# KiCad board omodri_laas.kicad_pcb (continued)
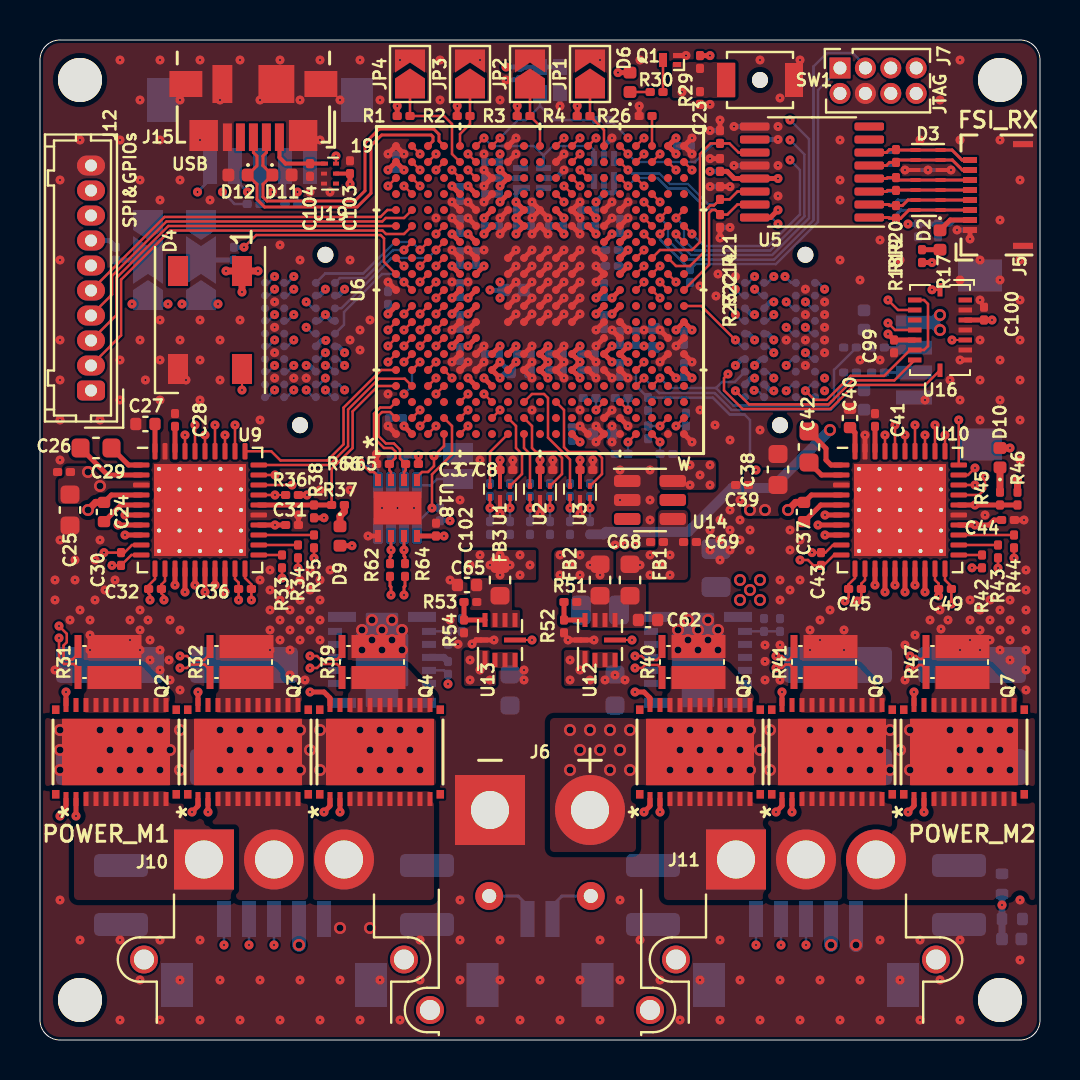
[diagram p0: board, top side]
## Routing (per net, layer and track width the routed paths; a pad name or vN(x,y) marks a point on that pad's centre or on a via; arc(x,y) is an arc through that point) (continued)
VDD_1V2: length 21.4
  Top w0.25: v1(23.8,40.3) U6.J14 v1(23.8,41.1) U6.J15 v1(23.8,41.9) ; v1(22.2,41.1) U6.G15 ; v1(22.2,40.3) U6.G14 ; v1(27.8,37.1) U6.P10 ; U6.E9 v1(20.6,36.3) ; U6.F11 v1(22.2,38.7) ; v1(25.4,33.1) U6.K5 v1(25.4,33.9) U6.K6 v1(25.4,34.7) ; U6.E11 v1(20.6,38.7) ; U6.F9 v1(21.4,36.3) ; U6.R13 v1(29.4,40.3) ; v1(28.6,40.3) U6.P13 ; v1(28.6,37.1) U6.R10
  Bottom w0.25: C66.1 23,37.26 v1(23,37.1) ; C66.1 23,37.74 v1(23,37.9) ; C66.1 v1(22.5,37.5) ; v1(25.4,33.1) 25.4,33.42 C74.1 25.4,33.58 v1(25.4,33.9) 25.4,34.22 R55.1 25.4,34.38 v1(25.4,34.7) ; v1(29.4,40.3) 29.08,40.3 C76.1 28.92,40.3 v1(28.6,40.3) ; 24.08,42.6 23.8,42.33 v1(23.8,41.9) 23.8,41.58 C77.1 23.8,41.42 v1(23.8,41.1) 23.8,40.78 C67.1 23.8,40.62 v1(23.8,40.3) ; v1(22.2,41.1) 22.2,40.78 C78.1 22.2,40.62 v1(22.2,40.3) ; v1(22.2,38.7) 21.88,38.7 R56.1 21.72,38.7 v1(21.4,38.7) 21.08,38.7 C72.1 20.92,38.7 v1(20.6,38.7) ; v1(20.6,36.3) 20.92,36.3 C73.1 21.08,36.3 v1(21.4,36.3) ; v1(28.6,37.1) 28.28,37.1 C75.1 28.12,37.1 v1(27.8,37.1)
  vias: v1(21.5,23.75) v1(22,24.25) v1(22.5,23.75) v1(23,24.25) v1(23,23.25) v1(23.5,23.75) v1(24,24.25) v1(24,23.25) v1(24.5,23.75)
VDD_3V3: length 90.6
  Top w0.2: C3.1 U1.5 ; C7.1 U2.5 ; C8.1 U3.5 ; U19.5 C103.1
  Top w0.25: U6.N14 v1(27.8,40.3) ; U6.L14 v1(26.2,40.3) ; U6.L15 v1(26.2,41.1) ; U6.E16 v1(20.6,42.7) ; R65.1 v1(18.92,29.2) ; v1(42.4,35.3) C99.1 U16.11 ; v1(36.9,43.08) 34.71,43.08 34.36,43.43 C14.1 ; v1(23,43.5) U6.H17 v1(23,42.7) ; R4.1 v1(26.86,46.7) ; U18.8 C102.1 v1(20.2,25.2) ; v1(47.6,36) C100.1 U16.3 ; v1(23,33.1) U6.G5 v1(23,33.9) ; U6.G4 v1(22.2,33.1) ; U6.R12 v1(29.4,39.5) ; U6.A9 v1(17.4,36.3) ; R29.1 v1(33.5,49.22) ; R3.1 v1(23.86,46.7) ; U6.F13 v1(21.4,40.3) ; v1(23,29) C3.1 ; v1(36.9,41.5) 36.53,41.12 U5.16 ; U6.E7 v1(20.6,34.7) ; U6.B1 v1(18.2,30.7) ; v1(31.8,45.1) U6.V19 v1(31.8,44.3) ; R38.2 v1(14.2,26.11) ; v1(27.8,41.1) U6.N15 ; v1(27,29) C8.1 ; v1(20.6,40.3) U6.E13 ; v1(25,29) C7.1 ; v1(27,33.9) U6.M5 26.61,33.5 27.01,33.1 ; v1(29.4,38.7) U6.R11 ; U6.E10 v1(20.6,37.1) ; U6.F10 v1(21.4,37.1) ; U6.H16 v1(23,41.9) ; R2.1 v1(20.86,46.7) ; D9.2 v1(15.6,24.72) ; U6.F16 v1(21.4,42.7) ; v1(23,34.7) U6.G6 ; R1.1 v1(17.86,46.7) ; 27,33.9 U6.M6 v1(27,34.7) ; v1(23.8,34.7) U6.H6 ; U6.P9 v1(27.8,36.3) ; D6.2 v1(28.9,48.37) ; U6.M1 v1(27,29.9) ; v1(32.6,35.5) U6.W8 v1(31.8,35.5) ; U6.F4 v1(21.4,33.1) ; U6.F7 v1(21.4,34.7) ; v1(13.35,27.25) R36.2 ; C103.1 v1(15.5,42.8) ; R17.2 v1(44.6,38.88) ; v1(18.2,43.5) U6.A18 v1(17.4,43.5) ; U6.R9 v1(28.6,36.3) ; 23.8,33.9 U6.H5
  Top w0.35: v1(9.3,38.45) D4.1 ; D4.1 v1(10.9,38.45) ; D4.1 v1(10.1,37.4) ; R46.2 v1(48.88,28) ; D10.2 v1(48.5,29.6)
  Bottom w0.125: v1(14.27,33.73) 14.43,33.73 J9.D08
  Bottom w0.25: v1(26.2,41.1) 26.2,40.78 C87.1 26.2,40.62 v1(26.2,40.3) ; v1(27.8,40.3) 27.8,40.62 C86.1 27.8,40.78 v1(27.8,41.1) 27.8,41.42 C21.1 27.8,41.58 v1(27.8,41.9) 28.25,42.35 ; v1(23,44.3) 23,43.98 C22.1 23,43.82 v1(23,43.5) 23,43.18 C55.1 ; v1(35.73,35) 35.41,35.32 J8.A05 ; v1(33.5,43.43) C14.1 34.36,43.43 34.71,43.08 35.74,43.08 ; J8.B03 36.53,36.91 v1(36.69,36.91) ; v1(18.2,43.5) 17.88,43.5 C90.1 17.72,43.5 v1(17.4,43.5) ; 28.25,42.35 28.65,42.35 28.7,42.4 U7.1 ; 28.25,42.35 28.2,42.4 U7.2 ; J9.C06 14.09,34.98 v1(14.29,34.98) ; v1(31.8,35.5) 32.12,35.5 C93.1 32.28,35.5 v1(32.6,35.5) ; J9.D02 14.91,37.22 v1(15.23,37.54) ; R61.1 v1(20.5,25.96) ; C52.1 v1(29.4,38.7) ; v1(20.6,42.7) 20.92,42.7 C89.1 21.08,42.7 v1(21.4,42.7) ; U17.3 C101.1 v1(18.92,29.2) ; J9.C04 13.95,35.95 v1(14.27,36.27) 14.59,35.95 J9.D04 ; v1(23,33.1) 23.3,33.4 C60.1 ; v1(23.3,48.65) C20.1 X1.4 X1.1 ; J9.D06 14.91,34.68 v1(15.23,34.36) ; C60.1 23.52,33.62 v1(23.8,33.9) 23.8,34.22 C61.1 23.8,34.38 v1(23.8,34.7) ; C60.1 23.02,33.9 v1(23,33.9) 23,34.22 C82.1 23,34.38 v1(23,34.7) ; v1(20.6,40.3) 20.92,40.3 C79.1 21.08,40.3 v1(21.4,40.3) ; v1(35.73,33.09) 35.57,33.09 J8.A09 ; v1(34.77,33.73) 35.09,34.05 J8.A07 ; v1(27.8,36.3) 28.12,36.3 C84.1 28.28,36.3 v1(28.6,36.3) ; C55.1 23,43.02 v1(23,42.7) 23,42.38 C54.1 23,42.22 v1(23,41.9) ; C55.1 U8.2 ; v1(27,33.1) 27,33.42 C83.1 27,33.58 v1(27,33.9) 27,34.22 C85.1 27,34.38 v1(27,34.7) ; v1(20.6,34.7) 20.92,34.7 C81.1 21.08,34.7 v1(21.4,34.7) ; v1(7.1,36.8) 7.8,36.8 8,37 8.2,36.8 v1(8.9,36.8) ; C53.1 v1(29.4,39.5) ; v1(36.69,35) 36.37,35.32 J8.B05 ; C92.1 26.92,29.98 v1(27,29.9) ; v1(31.8,44.3) 31.8,44.62 C94.1 31.8,44.78 v1(31.8,45.1) ; v1(4.6,36.8) 5.3,36.8 5.5,37 5.7,36.8 v1(6.4,36.8) ; J9.C08 13.47,33.73 v1(13.31,33.73) ; v1(35.73,33.73) 36.05,34.05 J8.B07 ; C91.1 18.2,31.02 v1(18.2,30.7) ; v1(35.73,36.27) 35.57,36.27 J8.A03 ; C88.1 v1(17.4,36.3) ; J9.C02 13.95,37.22 v1(14.27,37.54) ; J8.B09 36.53,32.46 v1(36.69,32.46) ; v1(20.6,37.1) v1(21.4,37.1) 21.08,37.1 C80.1 20.92,37.1 v1(20.6,37.1)
  vias: v1(26,24.25) v1(26,23.25) v1(26.5,23.75) v1(27,24.25) v1(27,23.25) v1(27.5,23.75) v1(28,23.25)
VDDA_3V3: length 7.7
  Top w0.25: v1(29.4,34.7) U6.R6 v1(29.4,33.9) ; v1(28.6,34.7) U6.P6 v1(28.6,33.9)
  Bottom w0.25: v1(28.6,33.9) 28.92,33.9 C51.1 29.08,33.9 v1(29.4,33.9) ; v1(31,34.7) 30.78,34.7 C63.1 30.62,34.7 v1(30.2,34.7) 29.88,34.7 C64.1 29.72,34.7 v1(29.4,34.7) 29.08,34.7 C50.1 28.92,34.7 v1(28.6,34.7)
  Bottom w0.5: J1.4 44.62,35.88 ; 44.62,35.88 v2(45,36.25) ; 44.62,35.88 v2(45,35.5)
  vias: v1(30,23.75) v1(30.5,24.25) v1(30.5,23.25) v1(31,23.75) v1(31.5,24.25) v1(31.5,23.25)
/analog1: length 1.5
  Bottom w0.125: J1.2 R5.2
/analog2: length 1.5
  Bottom w0.125: J1.3 R6.2
/JTAG + CLOCK + RESET/25MHz_OSC_SRC: length 17.3
  In3_sig.Cu w0.125: v1(37.31,36.91) 36.81,37.4 36.4,37.4 35.9,36.9 34.7,36.9 33.3,38.3 29.95,38.3 29.8,38.45 29.8,44.7 v1(29.4,45.1)
  Bottom w0.125: J8.C03 37.63,36.59 v1(37.31,36.91) ; v1(29.4,45.1) 28.5,46 R27.2
/JTAG + CLOCK + RESET/ERRORSTS: length 1.5
  Top w0.125: U6.U19 R26.1
/JTAG + CLOCK + RESET/F2838x_CLK_25MHz: length 7
  Top w0.125: U6.G19 v1(23,45.1)
  Bottom w0.125: v1(23,45.1) 23.9,46 24.3,46 25,46.7 ; X1.3 25,46.7 ; 25,46.7 25.7,46 R27.1
/JTAG + CLOCK + RESET/TCK: length 21.3
  Top w0.125: U6.V15 v1(31,41.1)
  Bottom w0.125: J7.3 41.27,48.71 40.63,49.35 39.35,49.35 38.67,48.67 38.67,40.99 36.7,39.02 32.38,39.02 31.4,40 31.4,40.7 v1(31,41.1)
/JTAG + CLOCK + RESET/TDI: length 22.8
  Top w0.125: U6.W13 v1(31.8,40.3)
  In2_sig.Cu w0.125: v1(37.5,46) 38.9,47.4 38.9,48.9 39.35,49.35 43.06,49.35 J7.7
  Bottom w0.125: v1(37.5,46) 38.45,45.05 38.45,41.09 36.61,39.25 32.55,39.25 31.8,40 v1(31.8,40.3)
/JTAG + CLOCK + RESET/TDO: length 20.2
  Top w0.125: U6.W15 v1(31.8,41.1)
  In2_sig.Cu w0.125: J7.8 42.73,46.25 38.75,46.25 v1(37.5,45)
  Bottom w0.125: v1(37.5,45) 38.22,44.28 38.22,41.18 36.51,39.47 32.73,39.47 32.2,40 32.2,40.7 v1(31.8,41.1)
/JTAG + CLOCK + RESET/TMS: length 19.4
  Top w0.125: U6.W14 v1(32.6,40.3)
  In3_sig.Cu w0.125: v1(37.5,44) 38.9,45.4 38.9,48.9 39.35,49.35 41.79,49.35 J7.5
  Bottom w0.125: v1(37.5,44) 37.99,43.51 37.99,41.28 36.42,39.7 33.2,39.7 v1(32.6,40.3)
/JTAG + CLOCK + RESET/~{TRSTn}: length 18.5
  Top w0.125: U6.V14 v1(31,40.3)
  Bottom w0.125: J7.1 38.9,47.5 38.9,40.9 36.79,38.79 32.77,38.79 R28.1 31,40.02 v1(31,40.3)
/JTAG + CLOCK + RESET/~{XRSn}: length 19
  Top w0.125: U6.F19 v1(22.2,45.1)
  In2_sig.Cu w0.125: v1(22.2,45.1) 22.9,45.8 31.2,45.8 32.1,46.7 v1(32.1,47.4)
  Bottom w0.125: 25.17,44.23 24.7,44.7 22.6,44.7 v1(22.2,45.1) ; 25.17,44.23 U8.4 ; 25.17,44.23 25.65,44.7 27.5,44.7 27.7,44.5 U7.4
/OMODRI_CAN_RS485/CAN_RS485_H: length 2.4
  Top w0.15: U18.6 v1(17.55,24.5) 17.55,24.2 17.5,24.15 R62.1
  Bottom w0.15: U17.7 v1(17.55,24.5)
/OMODRI_CAN_RS485/CAN_RS485_L: length 2.4
  Top w0.15: R64.1 18.25,24.15 18.2,24.2 v1(18.2,24.5) U18.7
  Bottom w0.15: U17.6 v1(18.2,24.5)
/OMODRI_CAN_RS485/CAN_RS485_N: length 26.1
  Top w0.15: v1(18.2,22.25) 18.2,22.65 18.25,22.7 R64.2
  In2_sig.Cu w0.15: R63.2 26.1,7.2 25.15,8.15 25.15,15.86 24.16,16.85 19.96,16.85 19.25,17.56 19.25,20.66 18.03,21.89 18.03,22.08 v1(18.2,22.25)
  Bottom w0.15: J13.2 25.62,6.72 26.1,7.2 R63.2
/OMODRI_CAN_RS485/CAN_RS485_P: length 26.1
  Top w0.15: R62.2 17.5,22.7 17.55,22.65 v1(17.55,22.25)
  In2_sig.Cu w0.15: R63.1 23.9,7.2 24.85,8.15 24.85,15.74 24.04,16.55 19.84,16.55 18.95,17.44 18.95,20.54 17.72,21.76 17.72,22.08 v1(17.55,22.25)
  Bottom w0.15: J13.1 24.38,6.72 23.9,7.2 R63.1
/OMODRI_CAN_RS485/CAN_RX_SCI_RX: length 4.3
  Top w0.125: U6.D1 20.2,29.7 v1(19.7,29.2) 19.7,28.7 19.4,28.4 19.1,28.4 18.85,28.15 U18.1
  Bottom w0.125: JP7.1 20.15,29.35 20,29.2 v1(19.7,29.2)
/OMODRI_CAN_RS485/CAN_RXD: length 2.2
  Bottom w0.125: U17.4 19.54,27.74 19.85,28.05 JP7.2
/OMODRI_CAN_RS485/CAN_SHDN: length 6.9
  Top w0.125: v1(19.6,26.6) 19.6,28.28 20.6,29.28 20.6,30.7 U6.D2
  Bottom w0.102: R61.2 v1(19.6,26.6)
  Bottom w0.125: U17.5 18.85,25.85 v1(19.6,26.6)
/OMODRI_CAN_RS485/CAN_TX_SCI_TX: length 7.8
  Top w0.125: U18.4 16.9,28.2 16.7,28.4 16.5,28.4 v1(16,28.9) ; U6.C2 v1(19,30.7)
  In3_sig.Cu w0.102: v1(16,28.9) 16.3,28.6 16.9,28.6 v1(19,30.7)
  Bottom w0.125: v1(16,28.9) 16.2,28.7 16.7,28.7 16.9,28.5 U17.1
/OMODRI_CAN_RS485/SCI_RX_EN: length 5.1
  Top w0.125: U6.A2 17.5,31.4 17.1,31.4 16.93,31.22 16.93,30.19 17.29,29.83 17.69,29.83 18,29.52 18,29.08 R65.2 18.28,28.48 18.2,28.4 U18.2
/OMODRI_CAN_RS485/SCI_TX_EN: length 5.5
  Top w0.125: U6.A3 17.52,31.62 17.01,31.62 16.7,31.32 16.7,30.1 17.2,29.6 17.6,29.6 17.77,29.43 17.77,29.1 R66.2 17.47,28.48 17.55,28.4 U18.3
/OMODRI_COM_SPI_USB/COM_SIMO: length 1.9
  Bottom w0.125: J14.3 R68.1
/OMODRI_COM_SPI_USB/COM_SOMI: length 1.9
  Bottom w0.125: R67.1 J14.2
/OMODRI_COM_SPI_USB/COM_SPI_CLK: length 24.8
  Top w0.125: U6.N17 v1(27,43.5)
  In3_sig.Cu w0.102: v1(7.88,42.4) 11.67,46.2 25.03,46.2 25.71,45.52 25.71,43.99 25.8,43.9 26.6,43.9 v1(27,43.5)
  Bottom w0.125: J14.5 8.5,43.02 v1(7.88,42.4)
/OMODRI_COM_SPI_USB/COM_SPI_SIMO: length 24.1
  Top w0.125: U6.M17 v1(27,42.7)
  In3_sig.Cu w0.102: v1(9.12,42.4) 12.72,46 24.95,46 25.5,45.44 25.5,43.17 25.58,43.1 U6.M17 v1(27,42.7)
  Bottom w0.125: v1(9.12,42.4) 9.72,41.8 R68.2
/OMODRI_COM_SPI_USB/COM_SPI_SOMI: length 19.1
  Top w0.125: U6.L16 v1(26.2,41.9)
  In3_sig.Cu w0.102: v1(26.2,41.9) 25.1,43 25.1,45.27 24.78,45.59 15.29,45.59 12.87,43.17 v1(12.87,42.4)
  Bottom w0.125: R67.2 12.89,42.38 v1(12.87,42.4)
/OMODRI_COM_SPI_USB/USB_GPIO_DETECT: length 6.2
  Top w0.102: U19.6 v1(14.8,44.2)
  Top w0.125: U6.B19 v1(19,44.3)
  In3_sig.Cu w0.102: v1(19,44.3) 17.91,45.39 15.89,45.39 14.7,44.2
/OMODRI_COM_SPI_USB/USB_N: length 16
  Top w0.15: U6.D19 19.95,44.95 19.95,45.29 19.69,45.55 16.96,45.55 16.25,44.84 16.25,42.46 15.74,41.95 11.35,41.95 11.15,42.15 11.15,42.79 D11.1 11.14,43.72 11.14,44.2 11.32,44.38 J15.2
/OMODRI_COM_SPI_USB/USB_P: length 16
  Top w0.15: J15.3 10.67,44.38 10.84,44.2 10.84,43.71 D12.1 10.85,42.79 10.85,42.03 11.23,41.65 15.86,41.65 16.55,42.34 16.55,44.72 17.08,45.25 19.56,45.25 19.65,45.16 19.65,44.95 U6.C19
/OMODRI_COM_SPI_USB/~{COM_SPI_CSn}: length 22
  Top w0.125: U6.M16 v1(26.2,42.7)
  In3_sig.Cu w0.102: v1(26.2,42.7) 25.69,42.7 25.3,43.09 25.3,45.36 24.86,45.79 13.77,45.79 v1(10.38,42.4)
  Bottom w0.125: v1(10.38,42.4) 9.75,43.02 J14.4
/OMODRI_driver_M1/CPH: length 3.6
  Top w0.25: U9.2 3.38,28.25 C29.1
/OMODRI_driver_M1/CPL: length 1.8
  Top w0.25: U9.1 4.42,28.75 C29.2
/OMODRI_driver_M1/GHA: length 20.7
  Top w0.25: Q2.1 1.3,11.5 v1(1,11.2) ; U9.6 v1(4.25,26.25)
  In2_sig.Cu w0.25: v1(4.25,26.25) 4.52,26.25 5.2,25.57 5.2,22.51 3.8,21.11 3.8,18.77 2.2,17.17 2.2,11.6 2.4,11.4 2.4,10.9 2.2,10.7 1.5,10.7 v1(1,11.2)
/OMODRI_driver_M1/GHB: length 15.8
  Top w0.25: v1(7.6,11.4) 7.9,11.7 Q3.1 ; U9.15 v1(7.75,22.75)
  In2_sig.Cu w0.25: v1(7.6,11.4) 8.1,10.9 8.7,10.9 8.9,11.1 8.9,11.7 8.2,12.4 8.2,16.37 8.8,16.97 8.8,20.6 7.75,21.65 v1(7.75,22.75)
/OMODRI_driver_M1/GHC: length 18.5
  Top w0.25: U9.16 v1(8.25,22.4) ; Q4.1 14.5,11.7 v1(14.2,11.4)
  In2_sig.Cu w0.25: v1(8.25,22.4) 8.25,21.72 9.2,20.77 9.2,17 9.8,16.4 14.17,16.4 14.8,15.77 14.8,12 v1(14.2,11.4)
/OMODRI_driver_M1/GLA: length 10.7
  Top w0.25: Q2.22 v1(1.3,17.4) ; U9.8 v1(4.25,25.25)
  In2_sig.Cu w0.25: v1(1.3,17.4) 3,19.1 3,21.44 4.4,22.84 4.4,24.7 4.25,24.85 v1(4.25,25.25)
/OMODRI_driver_M1/GLB: length 7.3
  Top w0.25: Q3.22 v1(7.9,17.4) ; U9.13 v1(6.75,22.75)
  In2_sig.Cu w0.25: v1(6.75,22.75) 6.75,21.52 7.9,20.37 v1(7.9,17.4)
/OMODRI_driver_M1/GLC: length 11.3
  Top w0.25: U9.18 v1(9.25,22.4) ; v1(13.5,17.4) 14.2,17.4 14.5,17.1 Q4.22
  In2_sig.Cu w0.25: v1(13.5,17.4) 10.28,17.4 10,17.68 10,21.1 9.25,21.85 v1(9.25,22.4)
/OMODRI_driver_M1/SHA: length 18.5
  Top w0.25: Q2.2 v1(1.8,11.2) ; U9.7 v1(3.9,25.75)
  In2_sig.Cu w0.25: v1(3.9,25.75) 4.46,25.75 4.8,25.41 4.8,22.68 3.4,21.28 3.4,18.94 1.8,17.33 v1(1.8,11.2)
/OMODRI_driver_M1/SHB: length 13.8
  Top w0.25: U9.14 v1(7.25,22.4) ; Q3.2 v1(8.4,11.4)
  In2_sig.Cu w0.25: v1(7.25,22.4) 7.25,21.58 8.4,20.43 8.4,17.13 7.8,16.53 7.8,12 v1(8.4,11.4)
/OMODRI_driver_M1/SHC: length 18.1
  Top w0.25: Q4.2 v1(15,11.4) ; U9.17 v1(8.75,22.75)
  In2_sig.Cu w0.25: v1(15,11.4) 15.2,11.6 15.2,15.93 14.33,16.8 9.97,16.8 9.6,17.17 9.6,20.94 8.75,21.78 v1(8.75,22.75)
/OMODRI_driver_M1/SNA: length 8.9
  Top w0.125: U9.10 4.57,24.25 C30.2 v1(3.6,23.73) ; v1(0.95,20.7) 1.34,20.31 1.34,19.89 1.18,19.73 1.18,19.14 1.29,19.03 1.63,19.03 1.9,19.3 R31.3
  In2_sig.Cu w0.125: v1(3.6,23.73) 0.95,21.08 v1(0.95,20.7)
/OMODRI_driver_M1/SNB: length 7.2
  Top w0.125: v1(7,19.2) 7.35,19.2 7.55,19 8.2,19 8.5,19.3 R32.3 ; v1(5.5,22) 5.5,22.25 5.43,22.32 C32.2 5.43,22.73 5.75,23.05 U9.11
  In2_sig.Cu w0.125: v1(5.5,22) 5.82,21.68 5.82,20.38 v1(7,19.2)
/OMODRI_driver_M1/SNC: length 9.5
  Top w0.125: v1(10.57,22) C36.2 10.57,22.78 10.25,23.1 U9.20 ; R39.3 15.1,19.28 14.85,19.03 14.03,19.03 13.85,19.2 v1(13.5,19.2)
  In2_sig.Cu w0.125: v1(13.5,19.2) 13.12,19.2 12.92,19 11.2,19 10.9,19.3 10.9,21.67 v1(10.57,22)
/OMODRI_driver_M1/SOA_out: length 2.8
  Top w0.125: R35.2 U9.23
/OMODRI_driver_M1/SOB_out: length 2
  Top w0.125: R34.2 U9.22
/OMODRI_driver_M1/SOC_out: length 1.2
  Top w0.125: R33.2 U9.21
/OMODRI_driver_M1/SPA: length 10.2
  Top w0.125: v1(3.2,24.37) C30.1 4.22,24.37 4.6,24.75 U9.9 ; R31.2 1.9,18.6 1.7,18.8 1.2,18.8 0.95,19.05 v1(0.95,20.1)
  In2_sig.Cu w0.125: v1(0.95,20.1) 0.56,20.49 0.56,21.01 3.2,23.65 v1(3.2,24.37)
/OMODRI_driver_M1/SPB: length 8.1
  Top w0.125: R32.2 8.5,18.5 8.23,18.77 7.52,18.77 7.35,18.6 v1(7,18.6) ; v1(6.2,22) 6.2,22.2 6.07,22.33 C32.1 6.07,22.77 6.25,22.95 U9.12
  In2_sig.Cu w0.125: v1(7,18.6) 7.39,18.99 7.39,19.36 7.16,19.59 6.93,19.59 6.05,20.47 6.05,21.65 6.2,21.8 v1(6.2,22)
/OMODRI_driver_M1/SPC: length 10
  Top w0.125: R39.2 15.1,18.55 14.85,18.8 14.05,18.8 13.85,18.6 v1(13.5,18.6) ; v1(9.93,22) C36.1 9.93,22.87 9.75,23.05 U9.19
  In2_sig.Cu w0.125: v1(9.93,22) 10.67,21.26 10.67,19.21 11.11,18.77 12.93,18.77 13.1,18.6 v1(13.5,18.6)
/OMODRI_driver_M1/VCP_DRV: length 2.2
  Top w0.25: U9.5 4.04,26.75 3.21,25.92 C24.2
/OMODRI_driver_M1/VGLS: length 1.4
  Top w0.25: C27.2 U9.40
/OMODRI_driver_M2/CPH: length 1.9
  Top w0.25: C42.1 39.07,28.25 U10.2
/OMODRI_driver_M2/CPL: length 2.6
  Top w0.25: 38.45,30.42 39.3,29.58 39.3,29 39.55,28.75 U10.1
/OMODRI_driver_M2/GHA: length 26
  Top w0.25: Q5.1 30.5,11.7 v1(30.2,11.4) ; U10.6 v1(39.25,26.25)
  In2_sig.Cu w0.25: v1(39.25,26.25) 39.55,26.25 40.3,25.5 40.3,23.17 37.43,20.3 36.07,20.3 35.6,19.83 35.6,17.43 34.77,16.6 31.27,16.6 30.7,16.03 30.7,12.41 31.5,11.61 31.5,11.19 31.21,10.9 30.7,10.9 v1(30.2,11.4)
/OMODRI_driver_M2/GHB: length 18.5
  Top w0.25: v1(36.8,11.4) 37.1,11.7 Q6.1 ; U10.15 v1(42.75,22.75)
  In2_sig.Cu w0.25: v1(42.75,22.75) 42.75,21.65 41.5,20.4 41.5,17.3 40.65,16.45 38.15,16.45 37.7,16 37.7,12.05 38.1,11.65 38.1,11.2 37.81,10.9 37.3,10.9 v1(36.8,11.4)
/OMODRI_driver_M2/GHC: length 15.4
  Top w0.25: Q7.1 43.7,11.7 v1(43.4,11.4) ; U10.16 v1(43.25,22.4)
  In2_sig.Cu w0.25: v1(43.25,22.4) 43.25,21.59 41.9,20.24 41.9,17.3 42.75,16.45 43.78,16.45 44.2,16.03 44.2,12.2 v1(43.4,11.4)
/OMODRI_driver_M2/GLA: length 17.6
  Top w0.25: Q5.22 30.5,17.1 30.2,17.4 v1(29.75,17.4) ; U10.8 v1(39.25,25.25)
  In2_sig.Cu w0.25: v1(39.25,25.25) 39.5,25 39.5,23.5 37.1,21.1 35.7,21.1 34.8,20.2 34.8,17.8 34.4,17.4 v1(29.75,17.4)
/OMODRI_driver_M2/GLB: length 10.7
  Top w0.25: U10.13 v1(41.75,22.75) ; Q6.22 v1(37.1,17.4)
  In2_sig.Cu w0.25: v1(37.1,17.4) 40.47,17.4 40.7,17.63 40.7,20.73 41.75,21.78 v1(41.75,22.75)
/OMODRI_driver_M2/GLC: length 8.3
  Top w0.25: U10.18 v1(44.25,22.4) ; Q7.22 v1(43.7,17.4)
  In2_sig.Cu w0.25: v1(44.25,22.4) 44.25,21.46 42.7,19.9 42.7,17.63 42.93,17.4 v1(43.7,17.4)
/OMODRI_driver_M2/SHA: length 24
  Top w0.25: U10.7 v1(38.9,25.75) ; Q5.2 v1(31,11.4)
  In2_sig.Cu w0.25: v1(38.9,25.75) 39.46,25.75 39.9,25.31 39.9,23.34 37.26,20.7 35.9,20.7 35.2,20 35.2,17.6 34.6,17 31.1,17 30.3,16.2 30.3,12.1 v1(31,11.4)
/OMODRI_driver_M2/SHB: length 16.5
  Top w0.25: Q6.2 v1(37.6,11.4) ; U10.14 v1(42.25,22.4)
  In2_sig.Cu w0.25: v1(37.6,11.4) 37.3,11.7 37.3,16.2 37.95,16.85 40.48,16.85 41.1,17.47 41.1,20.57 42.25,21.72 v1(42.25,22.4)
/OMODRI_driver_M2/SHC: length 15.1
  Top w0.25: Q7.2 v1(44.2,11.4) ; U10.17 v1(43.75,22.75)
  In2_sig.Cu w0.25: v1(44.2,11.4) 44.6,11.8 44.6,16.2 43.95,16.85 42.92,16.85 42.3,17.47 42.3,20.07 43.75,21.52 v1(43.75,22.75)
/OMODRI_driver_M2/SNA: length 15.7
  Top w0.125: R40.3 31.1,19.25 30.85,19 30.29,19 30.09,19.2 v1(29.75,19.2) ; v1(38,24) 38.4,24 38.67,23.73 C43.2 39.18,23.73 39.7,24.25 U10.10
  In2_sig.Cu w0.125: v1(29.75,19.2) 30.1,19.2 30.32,18.98 30.68,18.98 31,19.3 31,20.92 32.31,22.23 33.11,22.23 34.88,24 v1(38,24)
/OMODRI_driver_M2/SNB: length 8.9
  Top w0.125: v1(36.8,19.2) 37.1,19.2 37.3,19 37.45,19 37.7,19.25 R41.3 ; v1(40.25,21.95) 40.43,22.13 C45.2 40.43,22.78 40.75,23.1 U10.11
  In2_sig.Cu w0.125: v1(36.8,19.2) 37.1,19.2 37.3,19 38.68,19 39.47,19.79 39.47,20.72 40.25,21.5 v1(40.25,21.95)
/OMODRI_driver_M2/SNC: length 7.8
  Top w0.125: v1(43.5,19.2) 43.8,19.2 43.95,19.05 44.1,19.05 44.3,19.25 R47.3 ; v1(45.57,21.8) C49.2 45.57,22.68 45.25,23 U10.20
  In2_sig.Cu w0.125: v1(45.57,21.8) 45.85,21.52 45.85,20.45 44.4,19 44,19 43.8,19.2 v1(43.5,19.2)
/OMODRI_driver_M2/SOA_out: length 2.8
  Top w0.125: R44.2 U10.23
/OMODRI_driver_M2/SOB_out: length 2
  Top w0.125: U10.22 R43.2
/OMODRI_driver_M2/SOC_out: length 1.2
  Top w0.125: U10.21 R42.2
/OMODRI_driver_M2/SPA: length 16.2
  Top w0.125: v1(29.75,18.6) 30.1,18.6 30.25,18.75 30.9,18.75 31.1,18.55 R40.2 ; v1(38.6,24.37) C43.1 39.27,24.37 39.65,24.75 U10.9
  In2_sig.Cu w0.125: v1(38.6,24.37) 38.6,23.9 38.2,23.5 37.75,23.5 37.48,23.77 34.97,23.77 33.2,22 32.4,22 31.23,20.83 31.23,19.21 30.77,18.75 30.25,18.75 30.1,18.6 v1(29.75,18.6)
/OMODRI_driver_M2/SPB: length 9.3
  Top w0.125: U10.12 41.25,23 41.07,22.82 C45.1 41.07,22.17 v1(40.85,21.95) ; v1(36.8,18.6) 37.1,18.6 37.27,18.77 37.48,18.77 37.7,18.55 R41.2
  In2_sig.Cu w0.125: v1(40.85,21.95) 40.49,21.58 40.49,21.42 39.7,20.63 39.7,19.7 38.78,18.78 37.28,18.78 37.1,18.6 v1(36.8,18.6)
/OMODRI_driver_M2/SPC: length 8.9
  Top w0.125: U10.19 44.75,23 44.93,22.82 C49.1 v1(44.93,22.2) ; R47.2 44.3,18.55 44.1,18.75 43.95,18.75 43.8,18.6 v1(43.5,18.6)
  In2_sig.Cu w0.125: v1(44.93,22.2) 45.72,22.2 46.08,21.84 46.08,20.36 44.5,18.78 44.03,18.78 43.85,18.6 v1(43.5,18.6)
/OMODRI_driver_M2/VCP_DRV: length 2.2
  Top w0.25: C37.2 38.21,25.92 39.04,26.75 U10.5
/OMODRI_driver_M2/VGLS: length 1.3
  Top w0.25: U10.40 40.75,30.37 C40.2
/OMODRI_FSI_RX/FSI_RX_CLK: length 10.3
  Top w0.125: U5.11 34.93,44.38 34.47,44.83 R21.2 33.53,44.83 33,44.3 33,39.9 32.6,39.5 31,39.5 U6.U12
/OMODRI_FSI_RX/FSI_RX_D0: length 7.2
  Top w0.125: U5.14 34.88,42.42 34.48,42.03 R22.2 33.7,41.73 33.51,41.73 33.23,41.45 33.23,39.43 32.5,38.7 31.8,38.7 U6.V12
/OMODRI_FSI_RX/FSI_RX_D1: length 7
  Top w0.125: U5.15 34.87,41.77 34.37,41.27 R23.2 33.77,41.5 33.6,41.5 33.45,41.35 33.45,38.75 U6.W10
/OMODRI_FSI_RX/RX_CLK_LVDS_N: length 5.4
  Top w0.15: U5.5 42.32,43.73 42.48,43.88 R20.2 42.92,44 D3.9 D3.6 45.62,44 46.12,43.5 J5.7
/OMODRI_FSI_RX/RX_CLK_LVDS_P: length 5.3
  Top w0.15: U5.6 42.32,44.38 42.47,44.52 R20.1 42.82,44.5 D3.8 D3.7 45.6,44.5 46.1,44 J5.8
/OMODRI_FSI_RX/RX_D0_LVDS_N: length 5.1
  Top w0.15: J5.6 D3.4 D3.11 42.92,43 R19.2 42.38,43.12 42.34,43.08 41.46,43.08
/OMODRI_FSI_RX/RX_D0_LVDS_P: length 5.1
  Top w0.15: J5.5 D3.3 D3.12 42.82,42.5 R19.1 42.38,42.48 42.32,42.42 U5.3
/OMODRI_FSI_RX/RX_D1_LVDS_N: length 5.2
  Top w0.15: U5.1 42.43,41.12 42.47,41.08 R18.2 43.03,41.08 43.45,41.5 D3.14 D3.1 J5.3
/OMODRI_FSI_RX/RX_D1_LVDS_P: length 5.2
  Top w0.15: U5.2 42.43,41.77 42.48,41.72 R18.1 43.12,41.72 43.4,42 D3.13 D3.2 J5.4
/OMODRI_FSI_TX/FSI_TX_CLK: length 7.6
  Top w0.125: U6.R19 v1(29.4,44.3)
  Bottom w0.125: v1(29.4,44.3) 29.8,43.9 32.75,43.9 33.68,44.83 R16.2 34.47,44.83 34.93,44.38 U4.6
/OMODRI_FSI_TX/FSI_TX_D0: length 8
  Top w0.125: U6.R17 v1(29.4,42.7)
  Bottom w0.125: U4.2 34.88,41.77 34.37,41.27 R14.2 33.72,41.55 33.33,41.55 32.31,42.57 31.41,42.57 30.88,43.1 29.8,43.1 v1(29.4,42.7)
/OMODRI_FSI_TX/FSI_TX_D1: length 7.9
  Top w0.125: v1(29.4,43.5) U6.R18
  Bottom w0.125: U4.3 34.88,42.42 34.48,42.03 R15.2 33.77,41.8 33.4,41.8 32.4,42.8 31.5,42.8 30.97,43.33 29.57,43.33 v1(29.4,43.5)
/OMODRI_FSI_TX/FSI_TX_EN: length 11
  In2_sig.Cu w0.102: v1(43.4,40.8) v1(36.9,40.8)
  Bottom w0.102: U4.1 36.57,41.12 v1(36.9,40.8)
  Bottom w0.25: v1(43.4,40.8) C12.1 R13.1 45.5,40.8 45.7,41 J4.7
/OMODRI_FSI_TX/TX_CLK_LVDS_N: length 5.4
  Bottom w0.15: U4.12 42.68,43.73 42.95,44 D1.6 D1.9 45.62,44 46.12,43.5 J4.2
/OMODRI_FSI_TX/TX_CLK_LVDS_P: length 5.3
  Bottom w0.15: U4.11 42.68,44.38 42.8,44.5 D1.7 D1.8 45.6,44.5 46.1,44 J4.1
/OMODRI_FSI_TX/TX_D0_LVDS_N: length 5.1
  Bottom w0.15: J4.3 D1.11 D1.4 42.8,43 42.72,43.08 41.46,43.08
/OMODRI_FSI_TX/TX_D0_LVDS_P: length 5.1
  Bottom w0.15: J4.4 D1.12 D1.3 42.8,42.5 42.72,42.42 U4.14
/OMODRI_FSI_TX/TX_D1_LVDS_N: length 5.2
  Bottom w0.15: U4.16 42.68,41.12 43.05,41.5 D1.1 D1.14 J4.6
/OMODRI_FSI_TX/TX_D1_LVDS_P: length 5.1
  Bottom w0.15: J4.5 D1.13 D1.2 42.9,42 42.68,41.77 U4.15
/OMODRI_GPIO/ANALOG_IN1: length 13
  Top w0.125: U6.T4 v1(30.2,33.1)
  Bottom w0.125: C1.1 39.93,32.48 39.93,31.91 39.52,31.5 34.58,31.5 33.73,32.35 30.95,32.35 v1(30.2,33.1)
/OMODRI_GPIO/ANALOG_IN2: length 14.8
  Top w0.125: U6.U4 v1(31,33.1)
  Bottom w0.125: J8.A08 34.74,32.9 34.1,32.9 33.8,32.6 ; v1(31,33.1) 31.5,32.6 33.8,32.6 ; 33.8,32.6 34.67,31.73 39.43,31.73 39.7,32 39.7,33.5 C2.1
/OMODRI_GPIO/BOOT_MODE_0: length 9.8
  Top w0.125: v1(10.2,39.64) 10.81,40.25 17.03,40.25 17.2,40.08 17.2,38.9 U6.A11
  Bottom w0.25: R59.2 v1(10.2,39.64)
/OMODRI_GPIO/DBG_GPIO_0: length 20.7
  Top w0.125: J12.2 4.05,35.23 4.05,38.02 6.51,40.47 17.13,40.47 17.3,40.3 18.2,40.3 U6.B14
/OMODRI_GPIO/DBG_GPIO_1: length 18.7
  Top w0.125: U6.A14 6.42,40.7 3.83,38.11 3.83,36.25 J12.3
/OMODRI_GPIO/DBG_GPIO_2: length 18.8
  Top w0.125: U6.B15 18.2,41.1 17.29,41.1 17.11,40.93 6.32,40.93 3.6,38.2 3.6,37.27 J12.4
/OMODRI_GPIO/DBG_GPIO_3: length 16.9
  Top w0.125: U6.A15 17.37,41.5 17.02,41.15 6.23,41.15 2.55,37.48
/OMODRI_GPIO/DBG_GPIO_SPI_CS2_n: length 9.5
  Top w0.125: U6.V11 v1(31.8,37.9)
  In3_sig.Cu w0.102: v1(31.8,37.9) 31.8,37.03 32.11,36.71 33.34,36.71 34.31,35.74 34.31,34.44 34.45,34.3 35.8,34.3 36.3,33.8 36.3,33.48 v1(36.69,33.09)
  Bottom w0.125: v1(36.69,33.09) 36.37,33.41 J8.B08
/OMODRI_GPIO/DBG_SPI_CLK: length 59.4
  Top w0.125: U6.B17 v1(19,42.7) ; U16.8 44.27,32.75 40.72,32.75 39.52,31.55 35.13,31.55 34.2,32.48 34.2,33.1 v1(34.4,33.3)
  In2_sig.Cu w0.102: v1(19,42.7) 18.62,42.32 18.13,42.32 16.63,40.82 4.64,40.82 J12.6
  In3_sig.Cu w0.102: v1(35.7,32.48) 35.19,33 34.7,33 v1(34.4,33.3) 34.11,33.59 34.11,35.65 33.25,36.51 30.89,36.51 29,38.4 29,40.5 28.8,40.7 22,40.7 21.8,40.9 21.8,43.7 21.6,43.9 18.78,43.9 18.6,43.72 U6.B17 v1(19,42.7)
  Bottom w0.125: v1(35.7,32.48) 35.87,32.48 J8.B10
/OMODRI_GPIO/DBG_SPI_SIMO: length 52.9
  Top w0.125: v1(34.77,32.46) 35.45,31.78 39.43,31.78 40.63,32.98 42.72,32.98 U16.9 ; U6.B18 v1(19,43.5)
  In2_sig.Cu w0.102: J12.8 16.46,41.23 17.8,42.57 17.8,42.83 18.07,43.1 18.6,43.1 v1(19,43.5)
  In3_sig.Cu w0.102: v1(19,43.5) 19.4,43.1 19.4,42.5 19.6,42.3 20.8,42.3 21,42.1 21,40.1 21.2,39.9 28.2,39.9 28.8,39.3 28.8,38.32 30.81,36.31 33.17,36.31 33.91,35.57 33.91,32.88 34.33,32.46 v1(34.77,32.46)
  Bottom w0.125: v1(34.77,32.46) 35.09,32.14 J8.A10
/OMODRI_GPIO/DBG_SPI_SOMI: length 56.5
  Top w0.125: v1(38.27,32.46) 38.72,32.01 39.33,32.01 40.53,33.21 42.21,33.21 43.5,34.5 U16.10 44.2,34.5 44.4,34.7 44.4,36.8 44.2,37 U16.15 ; U6.A17 v1(17.4,42.7)
  In2_sig.Cu w0.102: v1(17.4,42.7) 17.4,42.45 16.37,41.43 3.6,41.43 2.55,42.48
  In3_sig.Cu w0.102: v1(17.4,42.7) 18.21,41.89 19.21,41.89 19.4,41.7 19.4,38.5 19.6,38.3 28.21,38.3 30.61,35.9 33,35.9 33.5,35.4 33.5,32.71 34.42,31.8 37.61,31.8 v1(38.27,32.46)
  Bottom w0.125: J8.D09 38.59,32.78 v1(38.27,32.46)
/OMODRI_GPIO/DRV1_GPIO_EN: length 10.7
  Top w0.125: U6.A5 17.06,33.5 15.18,31.62 15.18,29.79 14.37,28.98 12.02,28.98 11.56,29.44 U9.31